# Allegro board 600-90658-01_CYW9BTM2BASE1_REV4.0.brd (continued)
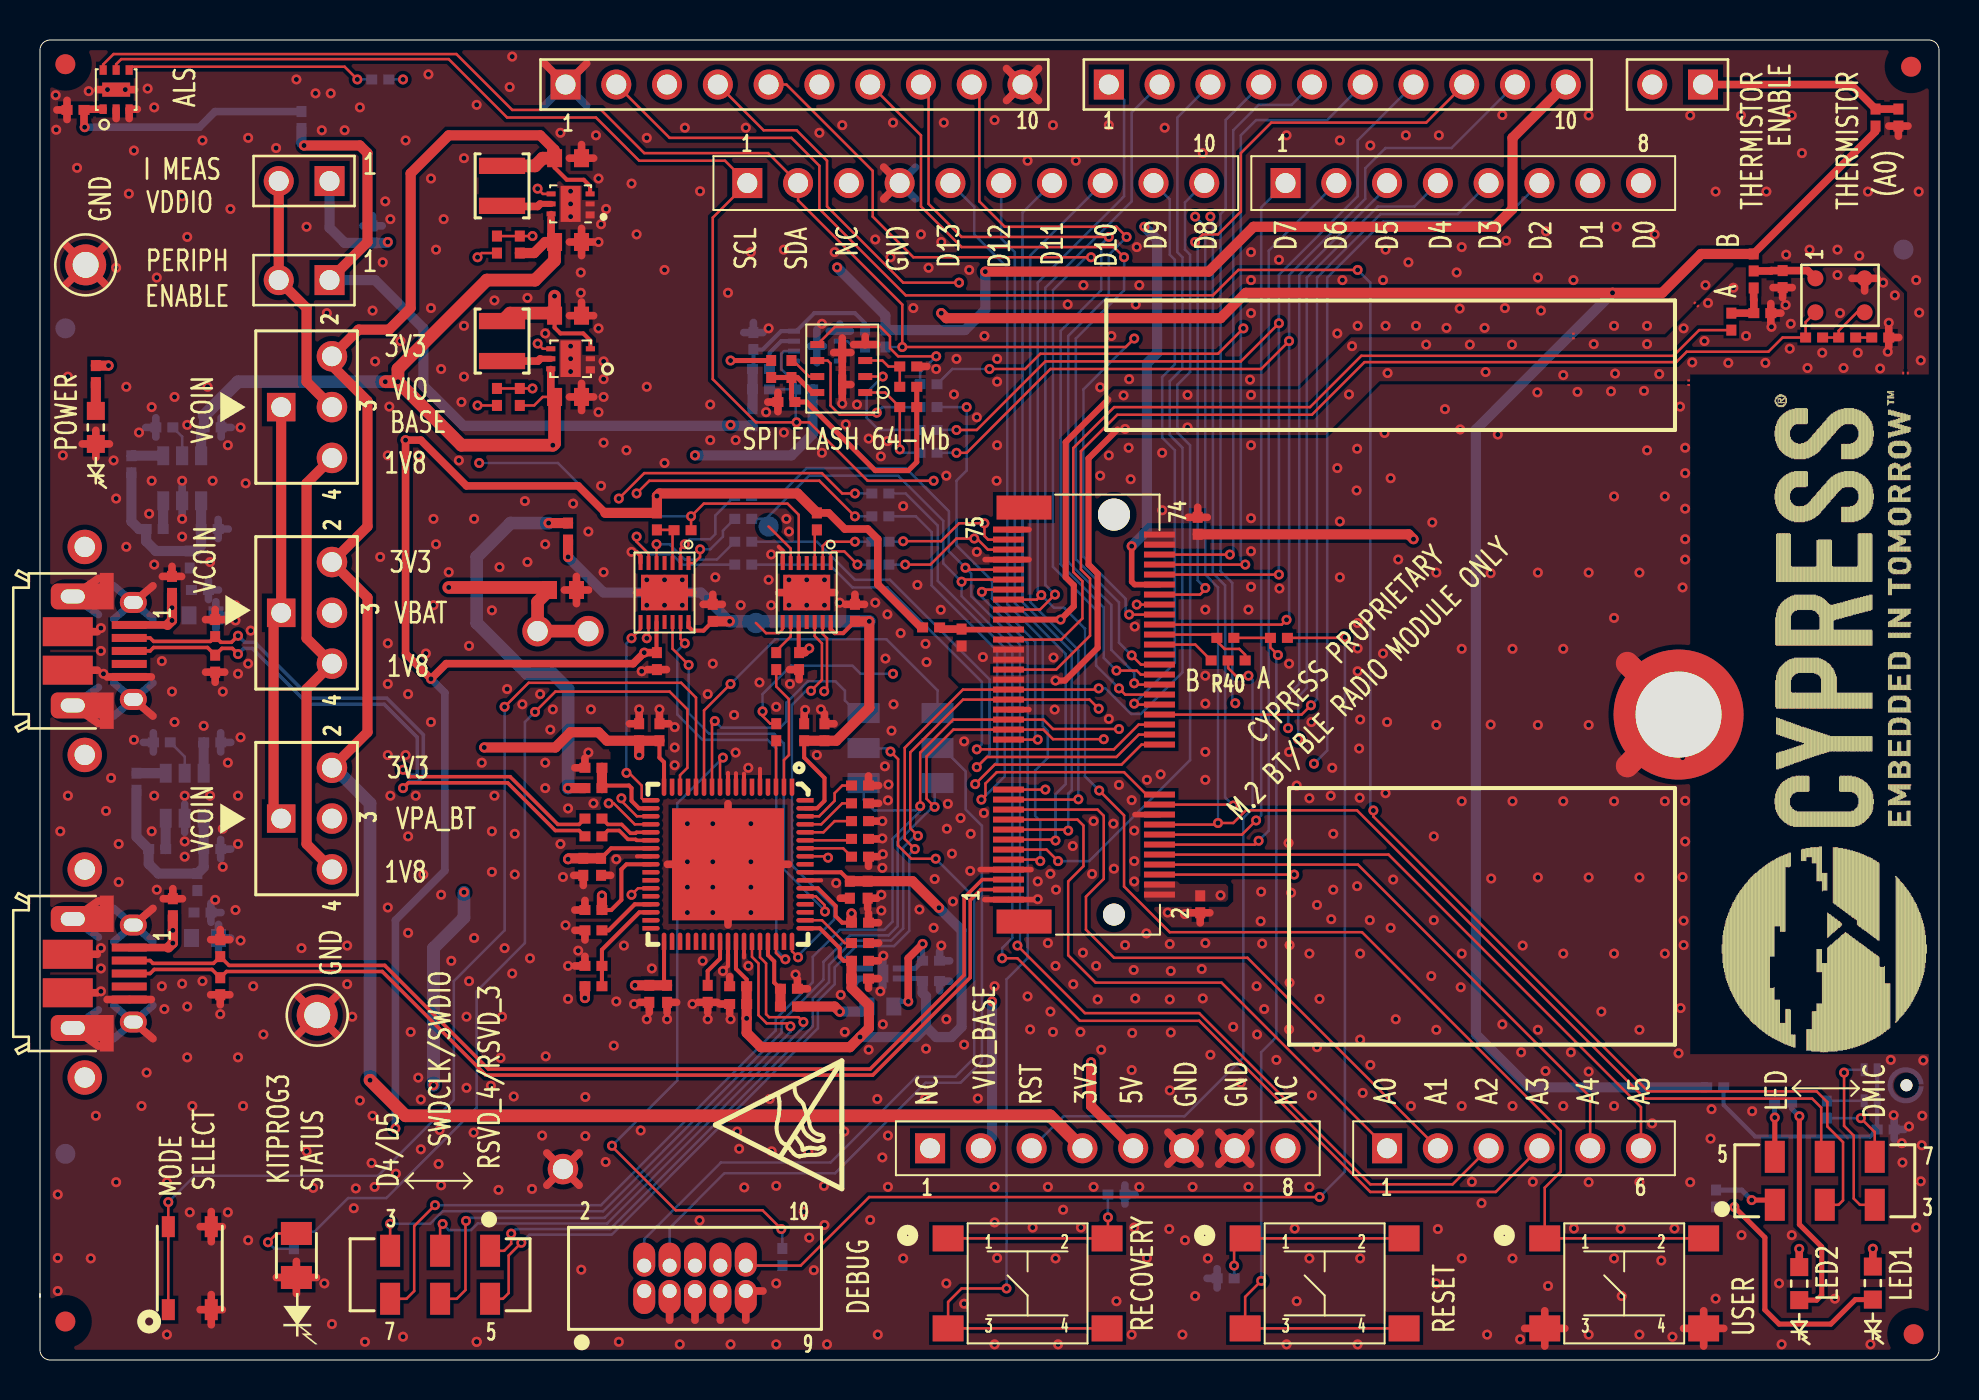
[diagram p0: board, top side]
## Nets
GND: BT1.3(NEG) C1.2 C3.2 C11.2 C13.2 C14.2 C15.2 C16.2 C17.2 C18.2 C19.2 C20.2 C21.2 C22.2 C23.2 C24.2 C25.2 C26.2 C27.2 C29.2 C30.2 C31.2 C32.2 C33.2 C34.2 C35.2 C36.2 C37.2 C38.2 C39.2 C40.2 C41.2 C42.2 C43.2 C45.2 C46.2 C47.2 C48.2 C49.2 C50.2 C51.2 C52.2 C53.2 C54.2 C55.2 C56.2 D3.C(CATHODE) D5.1(CATHODE) D7.1 D8.1 D9.1 D10.1 D11.1 D12.1 J1.6 J1.7 J3.4 J6.5(GND) J6.SH1(SHIELD#SH1) J6.SH2(SHIELD#SH2) J6.SH3(SHIELD#SH3) J6.SH4(SHIELD#SH4) J6.SH5(SHIELD#SH5) J6.SH6(SHIELD#SH6) J11.1 J11.10 J13.3(P3) J13.5(P5) J13.7(P7) J13.9(P9) J21.5(GND) J21.SH1(SHIELD#SH1) J21.SH2(SHIELD#SH2) J21.SH3(SHIELD#SH3) J21.SH4(SHIELD#SH4) J21.SH5(SHIELD#SH5) J21.SH6(SHIELD#SH6) J100.1(GND#1) J100.7(GND#7) J100.18(GND#18) J100.39(GND#39) J100.69(GND#69) J100.75(GND#75) M1.1(MT1) R24.2 R32.2 R36.1 R41.1 R46.2 R49.1 R54.1 R55.1 R57.1 R58.1 R59.1 R79.2 R80.2 R87.2 SW3.3(C) SW3.4(D) SW5.3 SW5.4 TIE1.1(N1) TIE2.1(N1) TIE3.1(N1) TIE4.1(N1) TP7.1(TP) TP8.1(TP) U3.1(GND_1) U3.H(GND_H) U4.1(PGND) U4.2(AGND) U4.H(HS-GND) U5.1(PGND) U5.2(AGND) U5.H(HS_GND) U6.2(GND) U7.7(GND) U7.15(EP-GND) U8.7(GND) U8.15(EP-GND) U9.2(GND) U9.5(PAD) U10.2(GND) U10.3(A0) U10.7(GND2) U11.4(GND) U11.H1(HS1) U11.H2(HS2) U12.5(VSSB) U12.7(VBOOST) U12.8(VBAT) U12.9(VSSD#9) U12.25(VSSD#25) U12.43(VSSA) U12.45(VSSD#45) U12.58(VSSD#58) U12.69(EPAD) U13.5(GND) U15.2(GND)
GND_A: C2.2 C5.2 C6.2 C7.2 J100.45(GND#45) J100.49(MICN) J100.51(GND#51) J100.57(GND#57) MIC1.2(GND) TIE1.2(N2) TIE2.2(N2) TIE3.2(N2) TIE4.2(N2)
VBAT: C3.1 J8.3 J100.72(VBAT#72) J100.74(VBAT#74)
VDD1P8: C20.1 J7.4 J8.4 J16.4 L1.2 U5.3(VOUT)
VDD3P3: C16.1 D1.A(ANODE) D2.A(ANODE) J1.4 J7.2 J8.2 J16.2 L3.2 R35.1 U4.3(VOUT)
VDDIO: C1.1 J17.1 J100.64(VDDIO)
VDDP: J19.1 R11.B R20.2 R22.2 R28.2 R88.2 TH2.1
VDDUSB: C15.1 C19.1 C55.1 J1.5 R31.1 R42.1 R51.1 R93.1 U4.6(VIN) U5.6(VIN) U6.6(OUT)
ARD_A0_THERMISTOR: J2.1 J18.2 J100.17(A0)
ARD_A1: J2.2 J100.19(A1)
ARD_A2: J2.3 J100.67(A2) R76.2
ARD_A3: J2.4 J100.65(A3) R75.2
ARD_A4: J2.5 J100.8(A4)
ARD_A5: J2.6 J100.10(A5)
ARD_D0: J4.8 J100.73(D0) R78.2
ARD_D1: J4.7 J100.71(D1) R77.2
ARD_D2: J4.6 J100.23(D2)
ARD_D3: J4.5 J100.38(D3)
ARD_D4_SWDCLK: J4.4 J100.35(D4) SW8.3 SW15.4(NO2)
ARD_D5_SWDIO: J4.3 J100.37(D5) SW8.7 SW15.1(NO1)
ARD_D6: J4.2 J100.12(D6)
ARD_D7: J4.1 J100.14(D7)
ARD_D8: J3.10 J100.11(D8)
ARD_D9: J3.9 J100.40(D9)
ARD_D10: J3.8 J100.21(IO10)
ARD_D11: J3.7 J100.15(D11)
ARD_D12: J3.6 J100.13(D12)
ARD_D13: J3.5 J100.9(D13)
ARD_RST_L: J100.52(ARD_RST_N) R40.B
BT_RST_L: J100.54(BT_RST_N) R40.A R95.2
BT_UART_CTS_L: J100.36(BT_UART_CTS) R74.2
BT_UART_RTS_L: J100.34(BT_UART_RTS) R73.2
BT_UART_RX: J100.32(BT_UART_RXD) R72.2
BT_UART_TX: J100.22(BT_UART_TXD) R71.2
BT_USB_DN: D11.2 J21.2(DM) J100.5(USB_DN)
BT_USB_DP: D12.2 J21.3(DP) J100.3(USB_DP)
COEX1: J11.7 J100.48(COEX1)
COEX2: J11.8 J100.46(COEX2)
COEX3: J11.9 J100.44(COEX3)
CS_L: R37.1 R85.2 U11.1(CS_L)
DMIC_CLK: SW4.3 U13.3(CLOCK)
DMIC_DATA: R12.2 SW4.7
HW_ID_0: R36.2 U12.62(P2[0])
HW_ID_1: R57.2 U12.63(P2[1])
HW_ID_2: R58.2 U12.64(P2[2])
HW_ID_3: R59.2 U12.65(P2[3])
HW_ID_4: R41.2 U12.66(P2[4])
KP3_SWDCLK: SW15.6(NC2) U12.12(P1[1])
KP3_SWDIO: SW15.3(NC1) U12.11(P1[0])
KP3_XRST_L: R29.2 U12.10(X\R\E\S\)
LED1_L: J11.2 J100.6(LED1_N) SW4.2
LED2_L: J11.3 J100.16(LED2_N) SW4.6
LED_YELLOW: R9.1 U12.15(P1[4])
M_VDD: C6.1 MIC1.1(PWR) R11.C
MIC_AVDD: C2.1 J100.55(MIC_AVDD) R6.1
MIC_BIAS: J100.53(MIC_BIAS) R10.1
MIC_P: J100.47(MICP) MIC1.4(OUT) R15.1
P5LP_SIO_VREF: R49.2 R53.2 U12.48(P0[0])
P5LP_USB_DM: D8.2 J6.2(DM) R7.1
P5LP_USB_DP: D9.2 J6.3(DP) R47.1
P5LP_VCCA: C43.1 U12.42(VCCA)
P5LP_VCCD: C41.1 C42.1 U12.26(VCCD#26) U12.57(VCCD#57)
P5LP_VDD: C14.1 C27.1 C29.1 C30.1 C31.1 C32.1 C33.1 C34.1 C35.1 C36.1 C37.1 C38.1 C39.1 C40.1 C45.1 C46.1 C48.1 R31.2 U7.14(VCC) U8.14(VCC) U9.4(EN) U12.17(VDDIO1) U12.24(VDDD#24) U12.35(VDDIO3) U12.44(VDDA) U12.52(VDDIO) U12.59(VDDD#59) U12.67(VDDIO2)
RECOVERY: J100.63(RECOVERY) SW1.3(C) SW1.4(D)
REG_EN: R97.1 U12.2(P2[7])
REG_EN_LVL: R96.1 R98.1 R99.1 U8.5(I/O-VL3)
RESET_BTN: R1.2 R45.2 R95.1 SW2.3(C) SW2.4(D)
RSVD_1_USER_BTN: J12.1 J100.61(RSVD_1) SW3.1(A) SW3.2(B)
RSVD_2: J12.2 J100.59(RSVD_2)
RSVD_3: J12.3 J100.43(RSVD_3) SW8.5
RSVD_4: J12.4 J100.41(RSVD_4) SW8.1
RSVD_5: J12.5 J100.70(RSVD_5)
RSVD_6: J12.6 J100.68(RSVD_6) R34.2
RSVD_7: J12.7 J100.66(RSVD_7) R30.2
RSVD_8: J12.8 J100.62(RSVD_8) R26.2
RSVD_9: J12.9 J100.56(RSVD_9) R37.2
RSVD_10: J11.4 J100.33(RSVD_10) R33.2
RSVD_11: J11.5 J100.42(RSVD_11)
RSVD_12: J11.6 J100.20(RSVD_12)
SCL: J3.1 J100.60(SCL) R21.2 R39.2 U3.6(SCL) U10.5(SCL)
SCLK: R33.1 U11.6(SCK)
SDA: J3.2 J100.58(SDA) R25.2 R38.2 U3.2(SDA) U10.6(SDA)
SHIELD_RST_L: J1.3 R40.C
SI: R34.1 U11.5(SI/IO0)
SO: R30.1 U11.2(SO/IO1)
SW5: SW5.1 SW5.2 U12.13(P1[2])
SWDCLK: J13.4(P4) SW15.5(COM2)
SWDIO: J13.2(P2) SW15.2(COM1)
SWDRST: J13.10(P10) R1.1 R29.1
TARG_SWD_RST_L: R45.1 U12.3(P12[4])
TARG_SWDCLK: SW8.2 U12.47(P12[3])
TARG_SWDIO: SW8.6 U12.46(P12[2])
UART1_CTS: R73.1 U7.5(I/O-VL3)
UART1_RTS: R74.1 U7.6(I/O-VL4)
UART2_CTS: R75.1 U7.1(I/O-VL1)
UART2_RTS: R76.1 U7.2(I/O-VL2)
UART2_RX: R77.1 U8.1(I/O-VL1)
UART2_TX: R78.1 U8.2(I/O-VL2)
UART_1_CTS: U7.9(I/O-VCC3) U12.61(P15[5])
UART_1_RTS: U7.8(I/O-VCC4) U12.18(P1[6])
UART_1_RX: R71.1 U12.21(P12[7])
UART_1_TX: R72.1 U12.20(P12[6])
UART_2_CTS: U7.13(I/O-VCC1) U12.49(P0[1])
UART_2_RTS: U7.12(I/O-VCC2) U12.56(P0[7])
UART_2_RX: U8.13(I/O-VCC1) U12.29(P3[0])
UART_2_TX: U8.12(I/O-VCC2) U12.51(P0[3])
USB_PWR: C56.1 U15.6(OUT)
USB_V_SENSE: R51.2 R54.2 U12.19(P1[7])
VCOIN: BT1.1(POS1) BT1.2(POS2) C13.1 J7.1 J8.1 J16.1
VIO_BASE: C21.1 C47.1 C49.1 J1.2 J7.3 J12.10 J13.1(P1) J17.2 J19.2 R6.2 R38.1 R39.1 R56.2 R64.2 R65.1 U7.10(VL) U8.10(VL) U9.3(IN)
VPA_BT: C24.1 J16.3 J100.2(VPA#2) J100.4(VPA#4)
VTARG: R52.1 R53.1 R65.2 U9.1(OUT)
VTARG_MEAS: R52.2 R55.2 U12.32(P3[3])
N17318193: R79.1 SW1.1(A) SW1.2(B)
N17319683: C5.1 R10.2 R11.A
N17319743: MIC1.3(GAIN) R15.2 R17.2
N17319749: C7.1 R17.1
N17319864: R86.2 U11.7(HOLD_L/IO3)
N17319893: C50.1 R84.1 R85.1 R86.1 R88.1 U11.8(VCC)
N17319982: R84.2 R87.1 U11.3(WP_L/IO2)
N17320315: J18.1 R32.1 TH2.2
N17321365: C22.1 C23.1 D7.2 FB1.1 J6.1(VBUS)
N17321367: C53.1 FB1.2 R19.1 R23.1 U6.1(IN)
N17321640: R42.2 R99.2 U5.4(CE)
N17321661: R93.2 R98.2 U4.4(CE)
N17321701: L1.1 U5.5(LX)
N17324781: D5.2(ANODE) R9.2
N17325037: C25.1 U12.53(P0[4])
N17325251: R7.2 U12.23(P15[7] D-)
N17325253: R47.2 U12.22(P15[6] D+)
N17325263: C26.1 U12.31(P3[2])
N17326814: R64.1 R96.2 U7.3(\\T\H\R\E\E\-\S\T\A\T\E\)
N17326877: R56.1 U8.3(\\T\H\R\E\E\-\S\T\A\T\E\)
N17326996: R97.2 U8.9(I/O-VCC3)
N17329530: C11.1 R20.1 R21.1 R25.1 R27.1 U3.8(VCC)
N17329630: R27.2 U3.7(RST)
N17335019: C51.1 C52.1 D10.2 FB2.2 J21.1(VBUS)
N17361004: R24.1 U6.5(ILIM)
N17363779: C17.1 R22.1 U10.1(VCC)
N17364419: R19.2 U6.3(EN)
N17364422: R23.2 U6.4(FLAG)
N17366377: C54.1 FB2.1 R43.1 R44.1 U15.1(IN)
N17366397: R43.2 U15.3(EN)
N17366407: R44.2 U15.4(FLAG)
N17367182: R46.1 U15.5(ILIM)
N17369129: R26.1 U10.4(/INT)
N17384127: R80.1 SW2.1(A) SW2.2(B)
N17407317: R16.2 SW4.1
N17407334: D1.C(CATHODE) R16.1
N17407368: R18.1 SW4.5
N17407421: D2.C(CATHODE) R18.2
N17422116: C18.1 R28.1 U13.2(VDD) U13.4(SELECT)
N17422318: R12.1 U13.1(DATA)
N173217711: L3.1 U4.5(LX)
N173218601: D3.A(ANODE) R35.2
N173266295: TP43.1(TP) U8.6(I/O-VL4)
N173266297: TP42.1(TP) U8.8(I/O-VCC4)

Pads without a net: J1 1 8; J3 3; J6 4; J13 6 8; J21 4; J100 50; U3 3 4 5; U7 4 11; U8 4 11; U12 1 4 6 14 16 27 28 30 33 34 36 37 38 39 40 41 50 54 55 60 68

## Via types
v1: diameter 0.5, hole 0.25, TOP to BOTTOM, 1030 vias

## Routing (per net, layer and track width the routed paths; a pad name or vN(x,y) marks a point on that pad's centre or on a via; arc(x,y) is an arc through that point)
GND: length 476.9
  TOP w0.203: U12.43 34.42,19.7 v1(34.16,19.45) ; U12.25 29.86,25.18 ; U12.5 36.02,29.56 ; U7.7 30.04,40.21 29.84,40.41 v1(29.59,40.41) ; 36.96,40.66 37.15,40.46 U8.7 ; U12.7 35.22,29.32 ; U12.8 34.82,29.34 ; U12.58 39.08,23.98 ; U12.9 34.42,29.36 ; U12.45 35.22,20.12
  TOP w0.279: v1(49.91,23.04) 49.89,23.02 J100.1 47.26,23.02 ; 49.47,32.52 J100.39 ; 49.57,24.52 J100.7 47.03,24.52 ; J100.18 54.78,27.27 ; J100.69 47.28,40.02
  TOP w0.292: 49.47,41.52 J100.75 ; 49.47,40.02 J100.69
  TOP w0.381: 27.18,23.73 C38.2 26.7,24.23 ; 8.01,6.67 SW5.4 ; SW5.4 9.12,6.67 ; SW5.4 8.57,7.42 ; SW5.4 8.57,5.91 ; D7.1 6.6,39.68 ; D7.1 6.12,39.18 ; D7.1 7.08,39.18 ; 40.13,49.64 U11.H2 ; U11.H2 40.56,50.37 ; U11.H2 39.7,50.37 ; U11.H2 40.13,51.1 ; 8.28,34.39 D9.1 ; D9.1 9.24,34.39 ; D9.1 8.76,33.89 ; D10.1 7.13,23.06 ; D10.1 6.17,23.06 ; D10.1 6.65,23.57 ; C19.2 27.09,48.83 ; C19.2 26.49,48.15 ; C19.2 27.09,47.47 ; C19.2 27.7,48.15 ; 25.36,10.35 BT1.3 ; BT1.3 25.36,8.74 ; BT1.3 26.97,10.35 ; BT1.3 26.97,8.74 ; 26.49,55.9 C15.2 ; C15.2 27.09,55.22 ; C15.2 27.09,56.58 ; C15.2 27.7,55.9 ; J1.7 60.56,9.79 ; J1.7 60.56,11.38 ; J1.7 58.97,11.38 ; J1.7 58.97,9.79 ; 27.34,64.83 J11.1 25.23,64.83 ; C20.2 27.09,52.9 ; C20.2 27.7,52.22 ; C20.2 26.49,52.22 ; SW5.3 9.12,2.52 ; SW5.3 8.57,3.27 ; SW5.3 8.01,2.52 ; SW5.3 8.57,1.76 ; J6.SH5 2.87,34.49 ; 34.5,17.32 C34.2 34,17.8 ; 40.7,50.77 U11.4 ; U11.4 41.28,51.18 ; U11.4 41.86,50.77 ; 36.41,47.9 C50.2 ; C50.2 36.91,47.42 ; C50.2 36.91,48.38 ; C31.2 41.95,19.96 ; 34.04,1.99 J13.7 ; 26.76,22.5 C41.2 27.26,22.98 ; C25.2 41.95,20.85 ; 12.88,18.23 TP7.1 ; TP7.1 12.88,16.25 ; TP7.1 14.86,16.25 ; TP7.1 14.86,18.23 ; C35.2 34.5,19.17 ; C48.2 34.13,37.78 ; C48.2 33.66,38.29 ; C48.2 33.18,37.78 ; J6.SH2 5.65,32.2 ; D8.1 9.24,37.02 ; D8.1 8.76,37.52 ; D8.1 8.28,37.02 ; 41.95,28.72 R41.1 41.45,29.2 ; J21.SH3 2.92,22.95 ; 33.4,17.38 C43.2 ; C43.2 33.88,17.88 ; C43.2 32.92,17.88 ; R59.1 41.95,27.83 ; U11.H1 40.56,48.77 ; U11.H1 40.13,48.04 ; U11.H1 40.13,49.5 ; C45.2 40.77,38.29 ; C45.2 40.29,37.78 ; C45.2 41.25,37.78 ; 41.95,25.17 R36.1 41.45,24.69 ; D5.1 12.83,4.93 ; D5.1 11.82,4.13 ; D5.1 13.83,4.13 ; D5.1 12.83,3.32 ; 37.97,34.02 C47.2 37.49,34.52 ; 41.95,21.86 C42.2 41.45,22.34 ; 3.81,62.07 U10.2 ; 57.56,22.36 C24.2 ; C24.2 58.04,21.86 ; C24.2 58.52,22.36 ; 38.39,18.56 R49.1 37.89,19.04 ; 30.38,34.52 C49.2 31.34,34.52 ; 56.43,9.79 J1.6 ; J1.6 56.43,11.38 ; J1.6 58.02,9.79 ; J1.6 58.02,11.38 ; 31.47,31.81 C37.2 30.99,32.32 ; 41.88,23.09 C27.2 41.4,22.59 ; 2.11,45.8 D3.C ; D3.C 2.79,46.48 ; D3.C 2.79,45.12 ; D3.C 3.47,45.8 ; 2.88,63.52 U10.7 4.74,63.52 ; 42.21,58.05 J3.4 42.21,59.64 ; J11.10 49.95,64.57 ; J11.10 49.95,62.98 ; J11.10 48.35,62.98 ; J11.10 48.35,64.57 ; C40.2 38.23,32.32 ; 39.24,32.32 C14.2 39.72,31.81 ; J21.SH2 5.65,16.07 ; 31.5,1.99 J13.3 ; C13.2 26.84,39.18 ; C13.2 26.23,38.5 ; C13.2 26.84,37.82 ; C13.2 27.44,38.5 ; 30,17.88 C32.2 30.48,17.38 ; J21.SH4 2.92,15.69 ; 40.03,23.09 C29.2 ; 26.49,60.09 C16.2 ; C16.2 27.7,60.09 ; C16.2 27.09,60.77 ; 35.31,1.99 J13.9 36.16,3.45 ; 27.26,21 C26.2 26.76,21.48 ; 0.85,62.5 C17.2 ; C17.2 1.35,62.02 ; C17.2 1.35,62.98 ; 1.29,55.75 TP8.1 ; TP8.1 3.28,53.77 ; TP8.1 3.28,55.75 ; TP8.1 1.29,53.77 ; 92.96,61.19 R32.2 ; R32.2 92.48,61.7 ; R32.2 93.44,61.7 ; J21.SH6 2.87,20.29 ; 82.22,1.58 SW3.4 ; SW3.4 83.22,0.7 ; SW3.4 84.23,1.58 ; SW3.4 83.22,2.46 ; 32.65,38.37 U7.15 29.84,38.37 ; 26.76,19.7 R55.1 27.26,20.18 ; 4.87,62.54 U10.3 4.46,62.07 ; 39.76,38.37 U8.15 36.95,38.37 ; D12.1 9.5,18.26 ; D12.1 8.54,18.26 ; D12.1 9.02,17.76 ; 31.39,24.78 U12.69 ; U12.69 34.42,21.76 ; U12.69 37.45,24.78 ; U12.69 34.42,27.81 ; 41.45,18.59 C30.2 41.95,19.07 ; 3.36,18.02 J21.5 5.57,18.02 ; 29.97,32.32 C36.2 29.49,31.81 ; 75.27,0.7 SW3.3 ; SW3.3 74.27,1.58 ; SW3.3 75.27,2.46 ; SW3.3 76.28,1.58 ; C3.2 57.91,42.64 ; C3.2 58.39,42.13 ; C3.2 57.43,42.13 ; v1(26.54,57.17) v1(26.54,57.8) ; 31.37,17.38 C33.2 31.85,17.88 ; 3.36,34.15 J6.5 5.57,34.15 ; J21.SH5 2.87,18.36 ; 32.77,1.99 J13.5 ; R58.1 41.95,26.94 ; R87.2 44.36,49.68 ; 27.26,30.09 R54.1 26.76,29.61 ; J6.SH6 2.87,36.42 ; J21.SH1 5.65,22.58 ; 8.54,21.02 D11.1 ; D11.1 9.02,21.52 ; D11.1 9.5,21.02 ; C39.2 28.55,24.23 ; R57.1 41.95,26.05 ; J6.SH3 2.92,39.08 ; J6.SH1 5.65,38.71 ; J6.SH4 2.92,31.82
  TOP w1.143: 79.4,29.71 M1.1 79.4,34.84
  L02_GND w0.381: 2.92,21.14 J21.SH3 2.92,22.95 ; 25.49,64.57 J11.1 ; J11.1 27.09,62.98 ; J11.1 27.09,64.57 ; J11.1 25.49,62.98 ; J3.4 43.8,59.64 ; J3.4 42.21,58.05 ; J3.4 42.21,59.64 ; J3.4 43.8,58.05 ; 1.29,55.75 TP8.1 ; TP8.1 1.29,53.77 ; TP8.1 3.28,55.75 ; TP8.1 3.28,53.77 ; 2.92,15.69 J21.SH4 2.92,17.5 ; TP7.1 14.86,16.25 ; TP7.1 12.88,16.25 ; TP7.1 14.86,18.23 ; TP7.1 12.88,18.23 ; 58.97,11.38 J1.7 ; J1.7 58.97,9.79 ; J1.7 60.56,11.38 ; J1.7 60.56,9.79 ; 3.69,37.05 J6.SH1 ; J6.SH1 3.69,38.71 ; J6.SH1 5.65,37.05 ; J6.SH1 5.65,38.71 ; J21.SH2 5.65,17.73 ; J21.SH2 3.69,17.73 ; J21.SH2 3.69,16.07 ; J21.SH2 5.65,16.07 ; J6.SH2 5.65,32.2 ; J6.SH2 5.65,33.86 ; J6.SH2 3.69,33.86 ; J6.SH2 3.69,32.2 ; 56.43,11.38 J1.6 ; J1.6 58.02,9.79 ; J1.6 56.43,9.79 ; J1.6 58.02,11.38 ; J11.10 49.95,62.98 ; J11.10 48.35,62.98 ; J11.10 48.35,64.57 ; J11.10 49.95,64.57 ; 2.92,31.82 J6.SH4 2.92,33.63 ; J21.SH1 5.65,20.92 ; J21.SH1 3.69,22.58 ; J21.SH1 5.65,22.58 ; J21.SH1 3.69,20.92 ; 25.36,8.74 BT1.3 ; BT1.3 25.36,10.35 ; BT1.3 26.97,10.35 ; BT1.3 26.97,8.74 ; 2.92,37.27 J6.SH3 2.92,39.08 ; 36.16,3.45 J13.9 35.31,1.99 ; 31.5,1.99 J13.3 ; 32.77,1.99 J13.5 ; 34.04,1.99 J13.7
  L02_GND w1.143: 79.4,34.84 M1.1 79.4,29.71
  L03_PWR w0.381: 12.88,16.25 TP7.1 ; TP7.1 12.88,18.23 ; TP7.1 14.86,18.23 ; TP7.1 14.86,16.25 ; J11.1 27.09,62.98 ; J11.1 27.09,64.57 ; J11.1 25.49,62.98 ; J11.1 25.49,64.57 ; 3.69,38.71 J6.SH1 ; J6.SH1 5.65,37.05 ; J6.SH1 3.69,37.05 ; J6.SH1 5.65,38.71 ; 3.69,17.73 J21.SH2 ; J21.SH2 5.65,17.73 ; J21.SH2 3.69,16.07 ; J21.SH2 5.65,16.07 ; 2.92,17.5 J21.SH4 2.92,15.69 ; 58.97,11.38 J1.7 ; J1.7 60.56,11.38 ; J1.7 60.56,9.79 ; J1.7 58.97,9.79 ; 2.92,21.14 J21.SH3 2.92,22.95 ; 25.36,10.35 BT1.3 ; BT1.3 25.36,8.74 ; BT1.3 26.97,8.74 ; BT1.3 26.97,10.35 ; 3.69,32.2 J6.SH2 ; J6.SH2 5.65,33.86 ; J6.SH2 3.69,33.86 ; J6.SH2 5.65,32.2 ; J21.SH1 5.65,20.92 ; J21.SH1 5.65,22.58 ; J21.SH1 3.69,22.58 ; J21.SH1 3.69,20.92 ; J11.10 49.95,62.98 ; J11.10 48.35,62.98 ; J11.10 49.95,64.57 ; J11.10 48.35,64.57 ; 2.92,31.82 J6.SH4 2.92,33.63 ; J3.4 43.8,58.05 ; J3.4 42.21,58.05 ; J3.4 42.21,59.64 ; J3.4 43.8,59.64 ; TP8.1 3.28,53.77 ; TP8.1 1.29,53.77 ; TP8.1 1.29,55.75 ; TP8.1 3.28,55.75 ; 56.43,11.38 J1.6 ; J1.6 58.02,9.79 ; J1.6 58.02,11.38 ; J1.6 56.43,9.79 ; J13.9 36.16,3.45 ; 2.92,39.08 J6.SH3 2.92,37.27
  L03_PWR w1.143: 79.4,34.84 M1.1 79.4,29.71
  BOTTOM w0.254: U9.2 40.52,19.57
  BOTTOM w0.381: 9.04,30.4 C56.2 ; C56.2 9.54,30.88 ; C56.2 9.04,31.36 ; R80.2 58.88,4.56 ; R80.2 58.88,3.6 ; R80.2 58.38,4.08 ; C52.2 8.93,21.78 ; C52.2 9.53,21.1 ; C52.2 8.93,20.42 ; 5.8,46.15 R24.2 ; R24.2 5.29,46.63 ; R24.2 5.8,47.11 ; 2.92,17.5 J21.SH4 2.92,15.69 ; C23.2 8.8,37.91 ; C23.2 9.41,37.23 ; C23.2 8.8,36.55 ; 8.43,38.02 C22.2 ; C22.2 8.43,38.98 ; C22.2 8.93,38.5 ; J11.10 49.95,62.98 ; J11.10 48.35,64.57 ; J11.10 48.35,62.98 ; J11.10 49.95,64.57 ; 58.97,9.79 J1.7 ; J1.7 58.97,11.38 ; J1.7 60.56,9.79 ; J1.7 60.56,11.38 ; J21.SH1 5.65,20.92 ; J21.SH1 3.69,20.92 ; J21.SH1 3.69,22.58 ; J21.SH1 5.65,22.58 ; 32.77,1.99 J13.5 ; C55.2 9.57,46.63 ; C55.2 9.06,47.11 ; C55.2 9.06,46.15 ; 25.36,10.35 BT1.3 ; BT1.3 26.97,10.35 ; BT1.3 25.36,8.74 ; BT1.3 26.97,8.74 ; 35.31,1.99 J13.9 36.16,3.45 ; 2.92,39.08 J6.SH3 2.92,37.27 ; 1.29,53.77 TP8.1 ; TP8.1 3.28,55.75 ; TP8.1 3.28,53.77 ; TP8.1 1.29,55.75 ; 42.16,20 U9.5 42.16,18.65 ; C54.2 9.04,26.03 ; C54.2 9.54,25.55 ; C54.2 9.04,25.07 ; J3.4 43.8,58.05 ; J3.4 42.21,59.64 ; J3.4 43.8,59.64 ; J3.4 42.21,58.05 ; 3.69,38.71 J6.SH1 ; J6.SH1 5.65,38.71 ; J6.SH1 5.65,37.05 ; J6.SH1 3.69,37.05 ; 7.24,26.38 U15.2 7.24,27.79 ; C11.2 35.69,51.88 ; C11.2 35.21,51.37 ; C11.2 36.17,51.37 ; 34.04,1.99 J13.7 ; U3.H 39.19,50.69 ; U3.H 38.86,51.52 ; U3.H 38.86,49.86 ; U3.H 38.53,50.69 ; 56.43,9.79 J1.6 ; J1.6 58.02,11.38 ; J1.6 56.43,11.38 ; J1.6 58.02,9.79 ; 7.11,43.67 U6.2 7.11,42.26 ; R46.2 5.67,31.36 ; R46.2 5.17,30.88 ; R46.2 5.67,30.4 ; 16.16,56.71 C1.2 ; C1.2 16.64,57.21 ; C1.2 17.12,56.71 ; 3.69,33.86 J6.SH2 ; J6.SH2 5.65,33.86 ; J6.SH2 3.69,32.2 ; J6.SH2 5.65,32.2 ; 3.69,16.07 J21.SH2 ; J21.SH2 5.65,16.07 ; J21.SH2 3.69,17.73 ; J21.SH2 5.65,17.73 ; 31.5,1.99 J13.3 ; 45,20.44 C21.2 45.51,19.96 ; C18.2 92.75,12.01 ; C18.2 93.26,11.53 ; C18.2 92.75,11.05 ; 8.55,21.89 C51.2 ; C51.2 9.06,22.37 ; C51.2 8.55,22.85 ; J11.1 27.34,62.72 ; J11.1 27.34,64.83 ; J11.1 25.23,64.83 ; J11.1 25.23,62.72 ; TP7.1 14.86,18.23 ; TP7.1 12.88,18.23 ; TP7.1 14.86,16.25 ; TP7.1 12.88,16.25 ; U3.1 40.54,51.44 ; U3.1 40.01,51.8 ; U3.1 39.48,51.44 ; R79.2 54.78,8.27 ; R79.2 54.27,7.8 ; R79.2 54.27,8.75 ; C53.2 8.91,42.03 ; C53.2 8.91,41.07 ; C53.2 9.42,41.55 ; 2.92,33.63 J6.SH4 2.92,31.82 ; 2.92,21.14 J21.SH3 2.92,22.95 ; 45.51,18.94 C46.2 45,18.46
  BOTTOM w1.143: 79.4,29.71 M1.1 79.4,34.84
  vias: v1(0.79,63.24) v1(0.81,61.51) v1(0.89,8.27) v1(0.89,5.1) v1(0.89,3.45) v1(1.02,26.44) v1(1.14,45.23) v1(1.4,49.17) v1(1.4,28.21) v1(1.85,59.61) v1(2.44,63.44) v1(2.54,5.08) v1(2.79,12.21) v1(3.05,36.6) v1(3.05,35.45) v1(3.05,20.59) v1(3.05,19.58) v1(3.05,18.44) v1(3.18,34.31) v1(3.3,27.45) v1(3.38,63.52) v1(3.56,29.1) v1(3.68,44.98) v1(3.81,54.61) v1(3.81,43.07) v1(3.81,8.89) v1(3.94,25.8) v1(3.94,23.9) v1(4.27,63.52) v1(4.32,48.66) v1(4.32,40.66) v1(4.45,58.31) v1(4.7,60.47) v1(4.7,31.01) v1(4.95,46.38) v1(5.08,12.7) v1(5.33,14.37) v1(5.38,63.57) v1(5.46,42.31) v1(5.59,47.65) v1(5.59,43.96) v1(5.59,26.44) v1(5.72,62.63) v1(5.71,39.77) v1(5.71,28.21) v1(5.84,54.12) v1(5.84,23.52) v1(6.1,34.95) v1(6.1,18.69) v1(6.22,17.55) v1(6.35,8.89) v1(6.35,1.27) v1(6.6,33.42) v1(6.73,48.15) v1(6.73,31.9) v1(7.11,58.19) v1(7.11,43.96) v1(7.11,42.06) v1(7.11,41.17) v1(7.11,18.82) v1(7.24,28.21) v1(7.24,25.93) v1(7.24,25.17) v1(7.37,56.15) v1(7.37,46.76) v1(7.37,17.67) v1(7.37,15.13) v1(7.49,7.39) v1(7.62,12.7) v1(8.13,60.98) v1(8.13,18.94) v1(8.19,31.71) v1(8.38,48.66) v1(8.51,39.9) v1(8.51,28.21) v1(8.64,43.96) v1(8.76,23.01) v1(9.02,17.29) v1(9.14,33.42) v1(9.14,26.56) v1(9.14,24.66) v1(9.4,45.74) v1(9.4,29.87) v1(9.4,7.39) v1(9.53,57.55) v1(9.78,37.74) v1(9.78,36.98) v1(9.78,22.5) v1(9.91,34.31) v1(9.91,28.21) v1(9.91,25.8) v1(9.91,15.13) v1(10.03,46.63) v1(10.03,31.14) v1(10.03,20.98) v1(10.16,12.7) v1(10.29,43.84) v1(10.41,61.11) v1(10.41,34.82) v1(10.41,5.99) v1(10.54,36.47) v1(10.67,18.69) v1(11.18,16.28) v1(11.81,60.6) v1(12.83,64.03) v1(13.08,20.59) v1(13.34,56.66) v1(13.34,10.43) v1(13.67,8.61) v1(13.78,63.33) v1(14.1,61.49) v1(14.22,3.83) v1(14.35,52.34) v1(14.54,63.33) v1(14.61,1.8) v1(15.24,61.49) v1(15.37,20.72) v1(15.37,18.79) v1(15.62,17.17) v1(15.7,7.59) v1(15.8,8.58) v1(16,62.63) v1(16,12.97) v1(16.26,0.91) v1(16.64,52.47) v1(16.64,12.21) v1(16.59,9.85) v1(16.76,49.93) v1(16.74,8.66) v1(17.02,40.15) v1(17.14,54.88) v1(17.27,57.93) v1(17.4,45.23) v1(17.4,35.83) v1(17.4,33.8) v1(17.4,30.25) v1(17.4,22.63) v1(17.53,57.04) v1(17.48,47.67) v1(17.53,28.21) v1(17.81,9.32) v1(18.03,50.95) v1(18.16,1.16) v1(18.29,60.98) v1(18.29,30.25) v1(18.41,33.29) v1(18.42,26.18) v1(18.42,21.36) v1(18.54,16.4) v1(18.8,28.21) v1(18.92,45.23) v1(18.92,14.12) v1(19.05,13.02) v1(19.05,10.54) v1(19.18,24.28) v1(19.3,35.33) v1(19.43,64.28) v1(19.56,59.08) v1(19.56,52.6) v1(19.56,31.9) v1(19.69,42.06) v1(19.68,37.74) v1(19.81,55.52) v1(19.81,40.79) v1(19.94,9.8) v1(20.07,49.55) v1(20.07,23.26) v1(19.99,11.5) v1(20.07,8.73) v1(20.19,57.04) v1(20.45,39.39) v1(20.57,19.96) v1(20.96,44.98) v1(21.08,47.9) v1(21.21,60.09) v1(21.21,51.71) v1(21.21,49.17) v1(21.34,17.17) v1(21.34,13.61) v1(21.46,35.71) v1(21.46,18.94) v1(21.72,42.06) v1(21.72,21.1) v1(21.69,11.37) v1(21.84,62.76) v1(21.84,0.91) v1(21.84,0.91) v1(22.1,29.87) v1(22.56,13.71) v1(22.61,37.49) v1(22.61,26.44) v1(22.61,24.4) v1(22.73,52.98) v1(22.73,28.21) v1(22.94,8.5) v1(22.99,39.64) v1(23.04,15.11) v1(23.11,17.17) v1(23.24,20.59) v1(23.37,33.55) v1(23.5,63.65) v1(23.62,65.17) v1(23.62,19.32) v1(23.75,26.31) v1(23.75,24.28) v1(23.7,13.18) v1(24.13,32.79) v1(24.26,42.95) v1(24.38,53.11) v1(24.38,39.9) v1(24.51,20.09) v1(24.61,8.55) v1(25.02,33.29) v1(25.12,11.22) v1(25.27,51.33) v1(25.27,40.79) v1(25.27,29.87) v1(25.27,28.6) v1(25.3,15.18) v1(25.53,31.52) v1(25.65,32.53) v1(26.04,61.36) v1(26.04,25.8) v1(26.16,24.15) v1(26.29,21.74) v1(26.42,27.58) v1(26.42,19.71) v1(26.42,18.05) v1(26.54,58.44) v1(26.54,50.69) v1(26.54,50.06) v1(26.54,49.42) v1(26.67,42.82) v1(26.92,20.47) v1(27.05,54.38) v1(27.05,53.36) v1(27.08,4.52) v1(27.28,13.15) v1(27.28,11.2) v1(27.43,41.42) v1(27.43,30.37) v1(27.56,32.53) v1(27.69,27.83) v1(27.81,61.23) v1(27.94,59.08) v1(27.94,55.9) v1(27.94,51.58) v1(27.94,47.39) v1(28.07,56.79) v1(28.07,43.71) v1(28.19,49.93) v1(28.19,49.04) v1(28.19,48.15) v1(28.19,45.87) v1(28.19,39.39) v1(28.32,57.55) v1(28.3,9.9) v1(28.7,15.72) v1(28.83,25.04) v1(28.83,17.93) v1(28.96,0.91) v1(29.21,20.72) v1(29.34,45.49) v1(29.59,58.82) v1(29.72,17.8) v1(29.85,56.28) v1(29.97,32.53) v1(30.05,11.48) v1(30.1,34.44) v1(30.35,61.11) v1(30.35,48.66) v1(30.35,39.01) v1(30.35,37.74) v1(30.35,17.04) v1(30.61,19.58) v1(30.99,32.53) v1(31.24,54.5) v1(31.24,44.85) v1(31.24,39.01) v1(31.24,37.74) v1(31.37,17.04) v1(31.75,31.64) v1(31.75,30.63) v1(31.75,29.74) v1(32,0.78) v1(32.13,39.01) v1(32.13,37.74) v1(32.26,61.62) v1(32.39,26.82) v1(32.39,24.91) v1(32.39,23.64) v1(32.39,22.37) v1(32.64,17.8) v1(33.02,58.44) v1(32.99,6.98) v1(33.15,19.96) v1(33.4,33.29) v1(33.4,17.04) v1(33.53,47.77) v1(33.53,45.99) v1(33.66,34.82) v1(33.66,26.82) v1(33.66,24.91) v1(33.66,23.64) v1(33.66,22.37) v1(33.78,39.14) v1(34.42,53.36) v1(34.54,17.04) v1(34.54,0.78) v1(34.72,32.25) v1(34.8,45.99) v1(34.8,30.37) v1(34.87,11.42) v1(35.05,37.74) v1(34.98,10.56) v1(35.23,8.63) v1(35.31,61.61) v1(35.43,29.61) v1(35.43,19.7) v1(35.56,55.39) v1(35.56,26.82) v1(35.56,24.91) v1(35.56,23.64) v1(35.56,22.37) v1(35.99,33.88) v1(36.32,47.39) v1(36.45,51.58) v1(36.45,39.01) v1(36.5,13.05) v1(36.58,40.28) v1(36.58,37.74) v1(36.6,10.43) v1(36.83,32.66) v1(36.83,8.71) v1(36.83,3.83) v1(36.83,0.78) v1(37.21,55.52) v1(37.21,46.37) v1(37.34,42.06) v1(37.47,41.42) v1(37.47,39.01) v1(37.47,37.74) v1(37.52,33.8) v1(37.8,19.27) v1(38.2,7.41) v1(38.35,39.01) v1(38.35,37.74) v1(38.28,32.51) v1(38.43,10.41) v1(38.48,6.12) v1(38.71,4.49) v1(38.86,30.25) v1(38.99,61.36) v1(39.07,32.53) v1(39.12,51.81) v1(39.12,45.36) v1(39.24,39.01) v1(39.24,37.74) v1(39.22,8.71) v1(39.24,6.75) v1(39.37,0.78) v1(39.75,55.39) v1(39.83,23.85) v1(40.01,37.87) v1(40.06,18.26) v1(40.13,61.74) v1(40.13,47.82) v1(40.26,16.4) v1(40.23,11.42) v1(40.31,46.78) v1(40.87,47.77) v1(41.45,46.07) v1(41.45,15.51) v1(41.53,7) v1(41.78,56.03) v1(41.78,37.87) v1(41.88,13.05) v1(41.91,1.27) v1(42.06,45.18) v1(42.04,18.44) v1(42.14,26.94) v1(42.14,26.08) v1(42.16,25.29) v1(42.14,24.61) v1(42.09,23.26) v1(42.09,22.47) v1(42.16,16.78) v1(42.14,10.13) v1(42.27,29.69) v1(42.19,20.21) v1(42.29,35.07) v1(42.39,45.94) v1(42.39,37.28) v1(42.44,28.77) v1(42.42,27.99) v1(42.42,11.22) v1(42.42,8.66) v1(42.55,55.14) v1(42.6,31.47) v1(42.67,61.87) v1(42.7,32.79) v1(43.05,36.34) v1(43.18,42.69) v1(43.18,5.08) v1(43.69,52.6) v1(43.89,38.75) v1(44.07,56.28) v1(43.99,22.52) v1(44.3,35.81) v1(44.35,34.89) v1(44.32,15.56) v1(44.27,13.08) v1(44.45,54.61) v1(44.75,24.05) v1(44.7,21.61) v1(44.83,49.55) v1(45.06,37.51) v1(45.09,55.9) v1(45.09,20.72) v1(45.21,61.87) v1(45.34,44.22) v1(45.36,26.56) v1(45.34,17.04) v1(45.34,3.83) v1(45.42,27.81) v1(45.62,25.32) v1(45.67,22.93) v1(45.72,48.28) v1(45.85,50.06) v1(46.05,27.1) v1(46.23,30.93) v1(46.23,15.77) v1(46.23,2.81) v1(46.48,54.5) v1(46.56,26.31) v1(46.53,24.45) v1(46.86,47.14) v1(46.86,40.41) v1(46.91,13.08) v1(47.24,51.2) v1(47.22,27.35) v1(47.75,62) v1(47.75,18.69) v1(47.75,8.66) v1(47.75,6.88) v1(47.75,0.78) v1(47.85,43.96) v1(47.88,50.06) v1(47.88,48.91) v1(47.88,45.74) v1(47.88,5.1) v1(49.4,59.96) v1(49.4,18.18) v1(49.53,16.53) v1(49.66,6.62) v1(49.91,23.93) v1(50.42,20.85) v1(50.42,8.66) v1(50.55,24.31) v1(50.55,17.42) v1(50.67,61.74) v1(50.76,32.52) v1(50.67,16.4) v1(50.83,23.51) v1(50.8,19.71) v1(50.8,5.08) v1(50.93,0.78) v1(51.18,7.51) v1(51.41,52.78) v1(51.66,25.7) v1(51.69,18.79) v1(51.82,59.96) v1(52.04,16.4) v1(52.07,6.62) v1(52.2,53.74) v1(52.17,20.37) v1(52.63,24.3) v1(52.7,26.94) v1(52.7,8.66) v1(52.83,19.7) v1(52.91,18.03) v1(53.04,48.64) v1(53.04,44.22) v1(53.09,15.51) v1(53.47,61.74) v1(53.47,45.23) v1(53.47,32.06) v1(53.59,51.2) v1(53.7,26.82) v1(53.72,24.56) v1(53.85,2.94) v1(53.98,28.75) v1(54.28,20.75) v1(54.46,45.61) v1(54.48,49.04) v1(54.56,44.04) v1(54.61,27.99) v1(54.64,16.35) v1(54.61,14.5) v1(54.61,1.27) v1(54.76,36.67) v1(54.74,26.47) v1(54.74,24.94) v1(54.74,23.93) v1(54.71,19.5) v1(54.74,6.62) v1(54.86,55.65) v1(54.81,52.78) v1(54.79,18.08) v1(54.99,53.74) v1(54.99,8.66) v1(55.35,21.33) v1(55.37,29.01) v1(55.37,5.1) v1(56.06,29.28) v1(56.13,45.36) v1(56.13,42.49) v1(56.26,61.62) v1(56.41,22.37) v1(56.52,20.8) v1(56.57,19.45) v1(56.52,18.03) v1(56.57,16.38) v1(56.52,13.48) v1(56.49,6.55) v1(57.15,1.27) v1(57.28,22.3) v1(57.28,5.99) v1(57.66,8.66) v1(57.79,3.19) v1(58.17,60.35) v1(58.12,19.55) v1(58.17,18.08) v1(58.29,37.52) v1(58.29,34.22) v1(58.29,32.82) v1(58.29,30.41) v1(58.29,29.01) v1(58.29,20.85) v1(58.42,5.08) v1(58.55,15.26) v1(59.69,16.66) v1(60.07,13.86) v1(60.45,37.52) v1(60.45,8.66) v1(60.53,49.02) v1(60.58,55.39) v1(60.58,54) v1(60.58,52.34) v1(60.58,45.74) v1(60.58,42.09) v1(60.58,40.44) v1(60.58,38.66) v1(60.86,18.69) v1(60.88,16.28) v1(61.06,21.94) v1(61.09,23.41) v1(61.14,20.82) v1(61.24,17.55) v1(61.85,15.01) v1(61.98,55.01) v1(62,38.58) v1(62.36,61.23) v1(62.36,0.78) v1(62.46,25.85) v1(62.48,34.82) v1(62.48,30.4) v1(62.51,20.75) v1(62.51,18.87) v1(62.48,16.53) v1(62.59,23.36) v1(62.76,6.57) v1(62.87,28.72) v1(62.87,2.94) v1(63.5,28.09) v1(63.5,20.32) v1(63.5,8.66) v1(63.5,5.08) v1(63.6,31.9) v1(63.63,13.23) v1(63.88,22.75) v1(63.88,15.64) v1(64.01,18.05) v1(64.57,28.21) v1(64.64,29.61) v1(64.59,22.04) v1(64.69,26.31) v1(64.69,23.51) v1(64.9,51.33) v1(64.9,44.6) v1(65.02,60.98) v1(65.02,41.93) v1(65.02,39.14) v1(65.15,54) v1(65.86,43.48) v1(65.91,51.71) v1(65.89,45.56) v1(65.91,36.85) v1(65.91,35.58) v1(65.91,34.44) v1(65.89,23.69) v1(65.91,0.78) v1(66.04,32.02) v1(65.99,30.58) v1(66.01,28.11) v1(66.04,20.32) v1(66.04,16.02) v1(66.04,5.08) v1(66.17,13.36) v1(66.55,60.73) v1(66.52,21.99) v1(66.55,14.75) v1(67.18,54) v1(67.26,46.35) v1(67.18,35.33) v1(67.31,55.52) v1(67.31,51.71) v1(67.31,28.34) v1(67.39,31.9) v1(67.56,44.09) v1(67.56,21.61) v1(67.69,24.02) v1(67.82,17.04) v1(67.94,40.02) v1(68.33,61.23) v1(68.45,54.88) v1(68.58,12.7) v1(68.83,51.71) v1(69.65,41.88) v1(69.6,19.2) v1(69.72,26.18) v1(69.72,21.99) v1(69.85,39.37) v1(69.85,31.75) v1(69.85,16.51) v1(69.85,3.83) v1(69.93,6.55) v1(69.98,61.23) v1(70.36,51.61) v1(70.28,47.54) v1(70.87,54.38) v1(71.02,52.57) v1(71.04,46.53) v1(71.07,18.64) v1(71.12,55.65) v1(71.12,35.56) v1(71.12,27.94) v1(71.12,20.32) v1(71.12,12.7) v1(71.12,5.08) v1(71.63,8.91) v1(72.11,7.84) v1(72.26,51.61) v1(72.39,1.27) v1(72.57,39.34) v1(72.57,31.77) v1(72.59,24.07) v1(72.92,46.27) v1(73.15,62.25) v1(73.15,16.78) v1(73.34,55.96) v1(73.28,52.6) v1(73.66,35.56) v1(73.66,27.94) v1(73.66,12.7) v1(73.66,5.08) v1(74.04,1.04) v1(74.17,20.72) v1(74.09,15.39) v1(74.68,8.91) v1(74.93,54.12) v1(74.9,48.38) v1(74.93,39.37) v1(74.93,31.75) v1(74.93,24.13) v1(74.93,16.51) v1(75.08,52.47) v1(75.34,56.43) v1(75.31,14.45) v1(75.44,3.7) v1(76.2,35.56) v1(76.2,27.94) v1(76.2,20.32) v1(76.2,12.7) v1(76.58,15.39) v1(76.71,53.99) v1(76.73,6.57) v1(76.91,48.41) v1(77.47,62.23) v1(77.47,39.37) v1(77.47,31.75) v1(77.47,24.13) v1(77.47,14.42) v1(77.47,8.89) v1(77.47,1.27) v1(78.1,17.42) v1(78.59,48.43) v1(78.74,51.71) v1(78.74,43.18) v1(78.74,37.1) v1(78.74,27.94) v1(78.74,20.32) v1(78.74,12.7) v1(78.74,5.08) v1(78.87,56.66) v1(79.07,6.57) v1(79.12,3.19) v1(80.01,39.37) v1(80.01,24.13) v1(80.01,16.51) v1(80.01,8.89) v1(80.01,1.27) v1(80.24,48.46) v1(80.39,51.71) v1(80.39,45.49) v1(80.65,11.83) v1(80.77,56.28) v1(81.1,4.97) v1(81.28,43.18) v1(81.28,27.94) v1(81.28,20.32) v1(81.66,1.16) v1(81.76,6.57) v1(81.97,15.34) v1(82.04,47.67) v1(82.07,17.6) v1(82.17,38.63) v1(82.17,30.12) v1(82.17,24.15) v1(82.22,21.97) v1(82.22,20.75) v1(82.3,45.61) v1(82.3,44.34) v1(82.3,42.56) v1(82.3,41.04) v1(82.3,40.02) v1(82.3,27.96) v1(82.3,25.93) v1(82.55,62.23) v1(82.55,8.89) v1(83.31,53.74) v1(83.57,11.07) v1(83.62,12.54) v1(83.82,58.42) v1(83.82,3.07) v1(85.09,62.23) v1(85.12,6.24) v1(85.65,12.44) v1(86.36,58.42) v1(87,3.83) v1(87.12,0.78) v1(87.35,55.26) v1(87.63,62.23) v1(87.63,6.24) v1(88.14,60.34) v1(88.52,55.52) v1(89.79,3.07) v1(89.92,55.52) v1(91.01,55.21) v1(91.44,58.42) v1(91.57,0.78) v1(92.58,15.01) v1(92.73,12.24) v1(93.13,10.84) v1(93.17,9.88) v1(93.5,11.68) v1(93.85,53.99) v1(93.85,6.62) v1(93.98,58.42) v1(94.01,52.37) v1(94.08,49.98) v1(94.16,12.21) v1(94.13,10.74) v1(94.08,8.94) v1(94.21,14.98)
GND_A: length 35.7
  TOP w0.292: v1(51.05,37.02) J100.57
  TOP w0.305: v1(51.05,37.02) 51.71,37.68 51.71,38.74 51.31,39.14 51.31,45.89 53.44,48.03 ; 53.9,46.53 52.45,45.08 52.45,39.78 52.91,39.32 52.91,35.61 51.28,33.97 v1(50.8,33.97)
  TOP w0.381: 90.64,54.08 MIC1.2 ; MIC1.2 91.27,53.45 ; MIC1.2 91.9,54.08 ; C5.2 87.09,52.34 ; C5.2 86.58,51.86 ; C5.2 86.58,52.82 ; C7.2 92.98,51.12 ; C7.2 92.48,51.6 ; C7.2 92.48,50.65 ; 87.17,53.12 C6.2 ; C6.2 87.65,53.62 ; C6.2 86.69,53.62
  vias: v1(47.17,35.15) v1(50.7,35.12) v1(54.2,48.23) v1(54.28,46.55) v1(57.4,48.25) v1(57.4,46.63) v1(60.58,48.25) v1(65.48,48.28) v1(65.63,50.69) v1(67.41,49.35) v1(69.34,50.77) v1(71.53,50.77) v1(72.31,49.4) v1(73.63,50.77) v1(76.2,49.25) v1(77.72,50.79) v1(78.79,49.32) v1(80.39,50.79) v1(81,49.3) v1(82.22,51.58) v1(82.65,49.88) v1(83.26,50.95) v1(83.44,52.85) v1(84.46,49.85) v1(84.71,53.61) v1(85.34,51.2) v1(86.31,49.85) v1(86.61,51.66) v1(87.33,52.75) v1(87.53,50.57) v1(87.58,51.81) v1(88.42,49.6) v1(89.15,50.36) v1(89.92,54.25) v1(90.04,52.34) v1(90.22,49.6) v1(90.93,50.36) v1(92.05,49.58) v1(92.2,53.87) v1(92.43,50.41) v1(92.48,51.86) v1(92.79,53.23)
VBAT: length 117.2
  TOP w0.508: C3.1 68.46,41.28 v1(68.71,41.04)
  L03_PWR w0.635: J8.3 18.54,37.36 21.21,34.69 v1(21.21,23.39) ; v1(68.71,41.04) 68.71,14.62 66.42,12.34 21.08,12.34 v1(19.68,13.74)
  BOTTOM w0.635: v1(21.21,23.39) 21.21,22.12 19.68,20.59 v1(19.68,13.74)
VDD1P8: length 49.2
  TOP w0.203: C20.1 25.74,51.62 26.04,51.33 27.18,51.33 27.53,50.97 U5.3
  TOP w0.508: J7.4 13.34,43.83 13.34,36.09 J8.4 13.34,33.55 13.34,25.8 J16.4
  TOP w0.635: v1(25.74,53.19) C20.1 25.61,52.34 23.51,52.34 L1.2
  L03_PWR w0.635: v1(25.74,53.19) 23.5,50.95 23.5,44.34 22.73,43.58 16.13,43.58 J7.4
VDD3P3: length 158.7
  TOP w0.203: U4.3 27.52,58.69 27.2,59.01 26.35,59.01 25.74,59.62 C16.1
  TOP w0.381: D1.A v1(91.69,5.56) ; D2.A v1(88,5.56)
  TOP w0.508: R35.1 v1(3.43,49.72) ; C16.1 25.74,60.51 25.02,61.23 20.45,61.23 18.54,59.33 18.54,52.6 17.46,51.52 15.94,51.52 J7.2 14.61,49.73 16.38,47.95 16.38,41.68 J8.2 16.38,38.12 16.38,31.39 J16.2
  TOP w0.635: J1.4 50.52,12.21 18.29,12.21 v1(16.51,13.99) ; C16.1 25.15,60.09 24.76,59.71 L3.2
  L03_PWR w0.381: J1.4 55.52,7.21 79.96,7.21 81.61,5.56 v1(88,5.56) 91.68,5.56 v1(91.69,5.56)
  L03_PWR w0.508: v1(3.43,49.72) 3.89,50.18 J7.2
  BOTTOM w0.635: v1(16.51,13.99) 16.51,27.83 14.73,29.61 J16.2
